# Altium PCB Board1.PcbDoc
Units mm, origin at the board's own origin, x right, y up, seen from the top; angles counter-clockwise.
Board outline 152.4 x 109.22 mm, 2 copper layers (Top Layer, Bottom Layer); 26 components, 16 nets, 98 pads, 0 vias.
Unrouted connection lines stored in the file: 1.
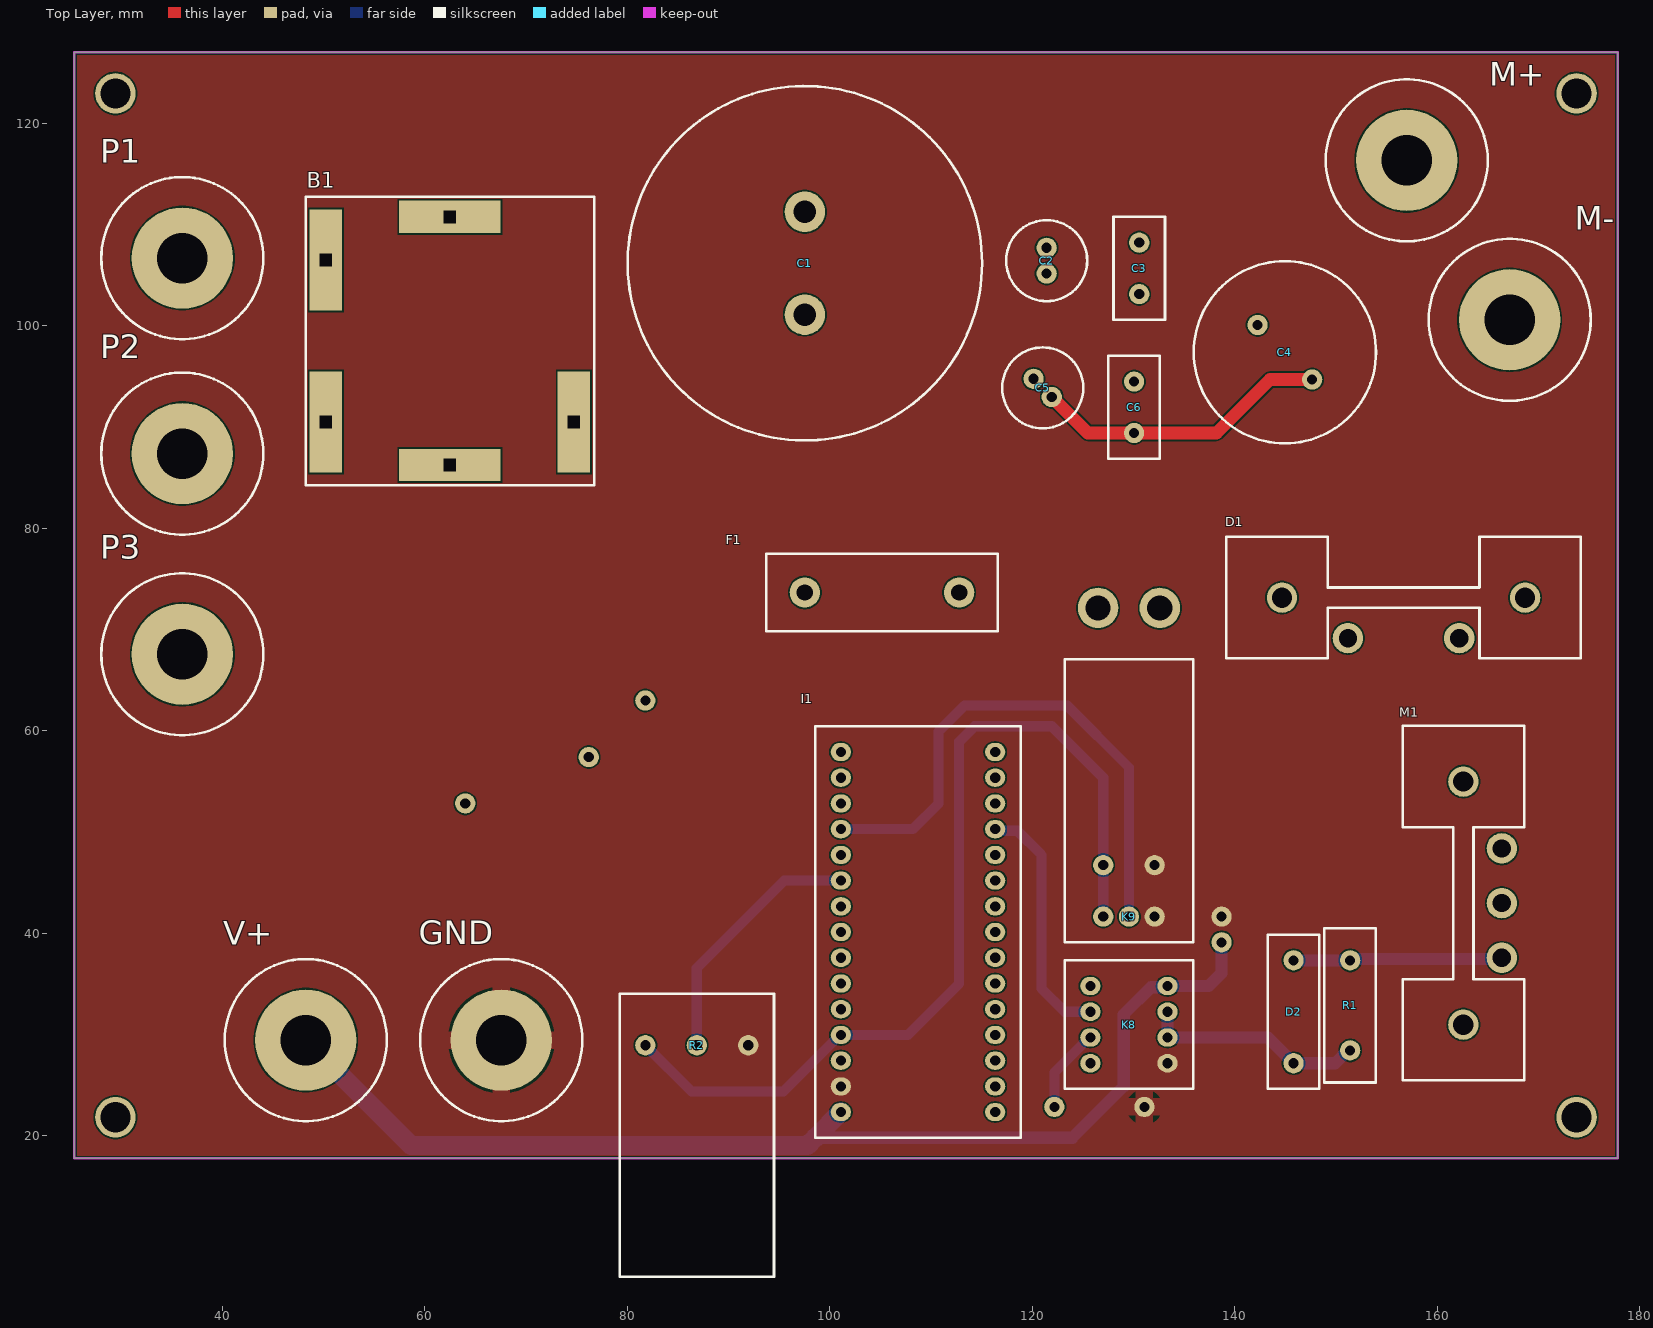
[diagram p0: Top Layer view]
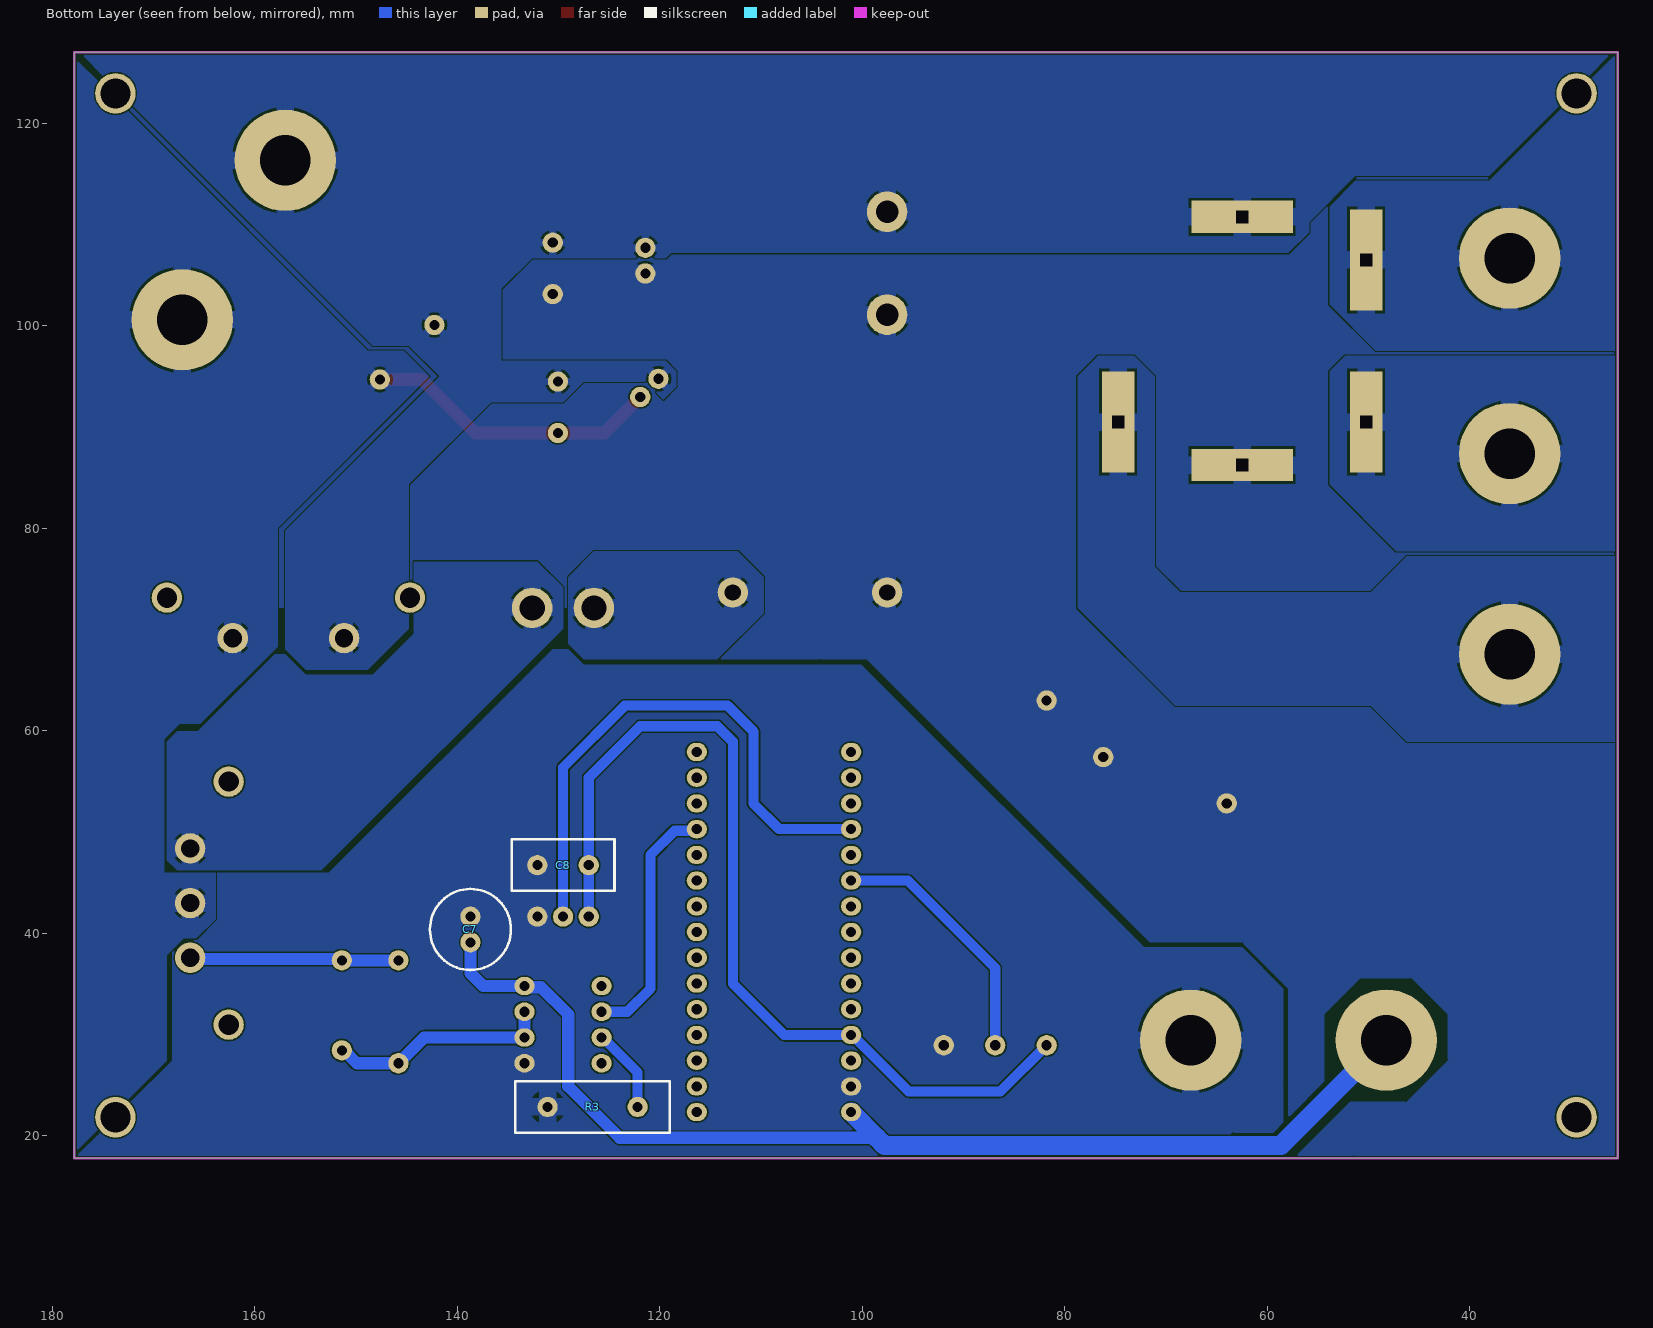
[diagram p1: Bottom Layer view, seen from below]
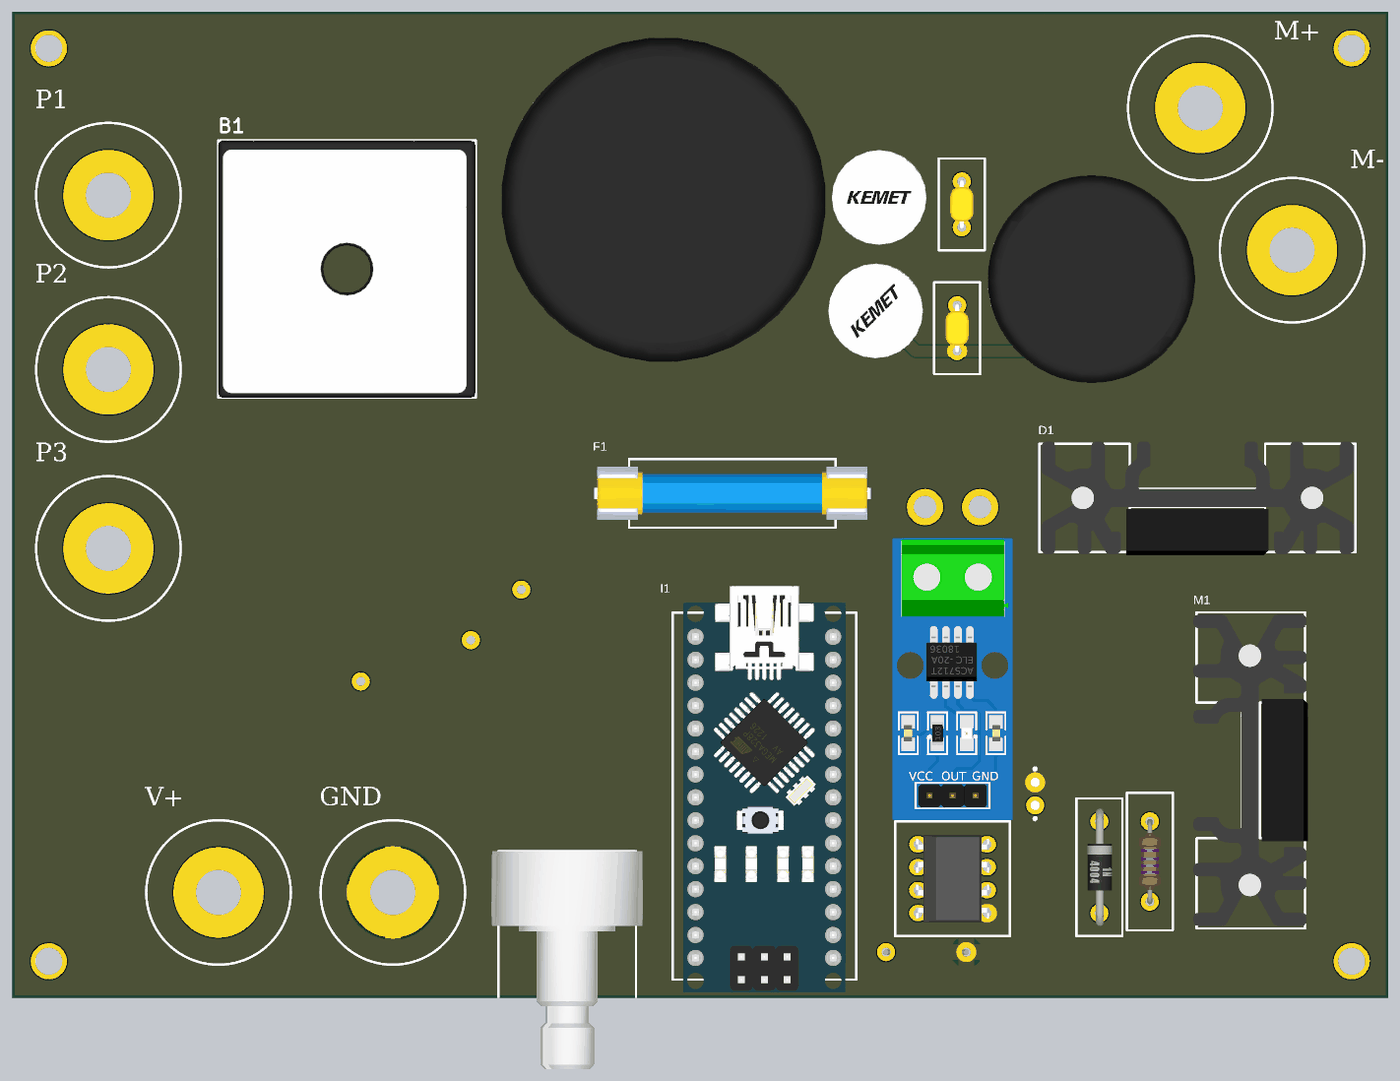
[diagram p2: 3D render of the assembled board from above, using the file's embedded part models]
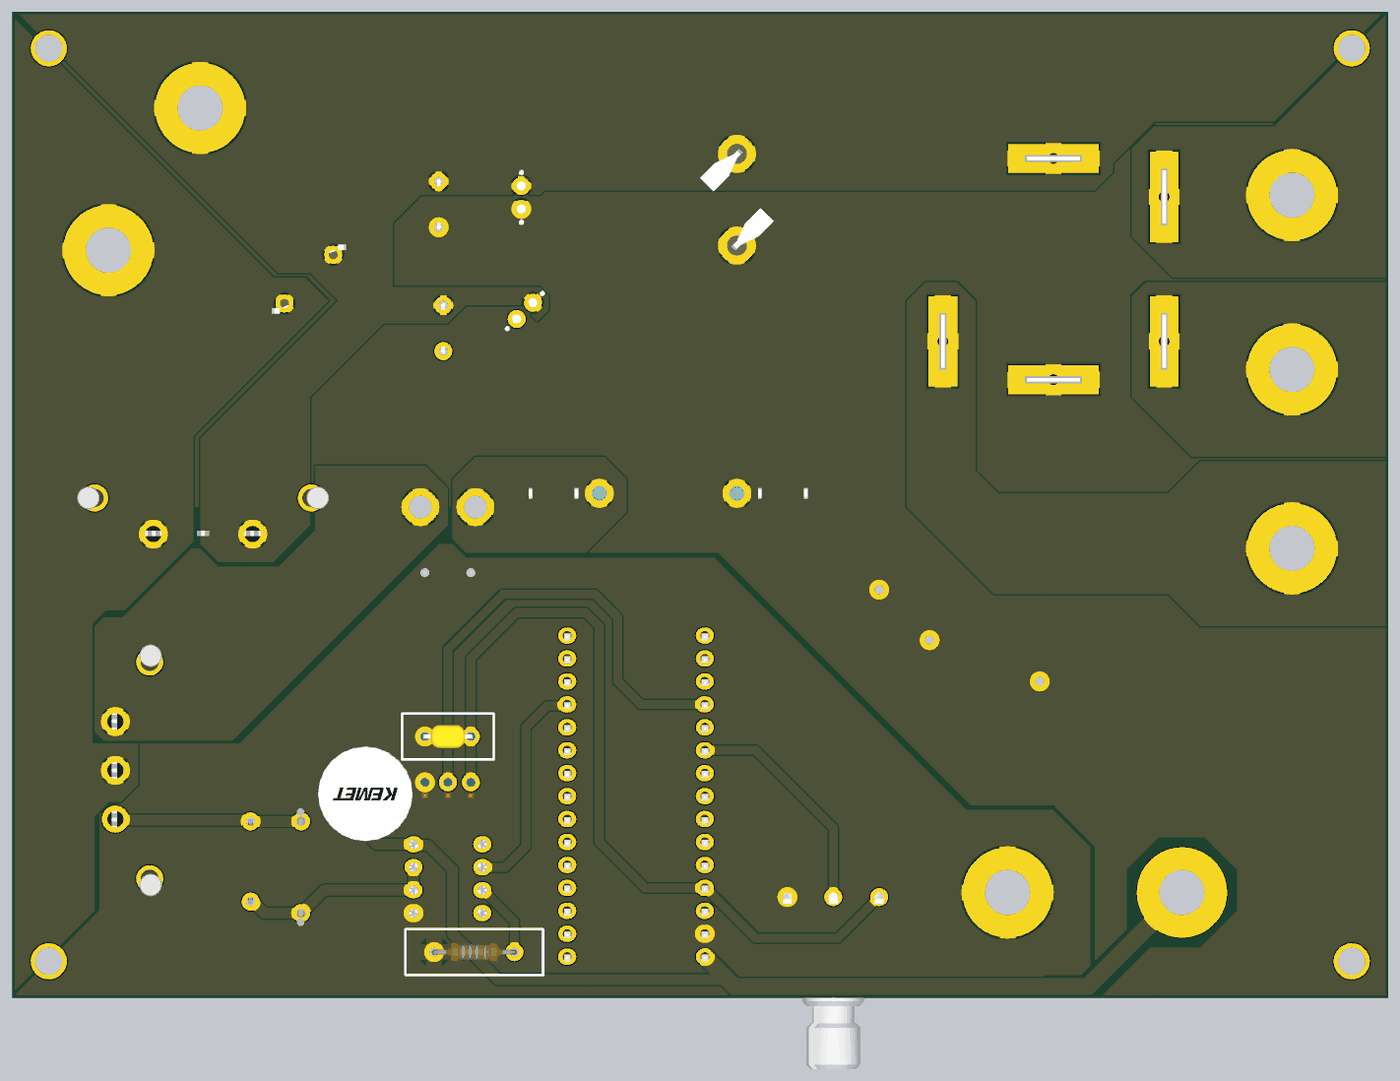
[diagram p3: 3D render of the assembled board from below, using the file's embedded part models]

## Layer stack, top to bottom
Top Solder: solder mask 0.0102, Solder Resist, Dk 3.5
Top Layer: signal copper 0.0356
Dielectric 1: dielectric 0.32, FR-4, Dk 4.8
Bottom Layer: signal copper 0.0356
Bottom Solder: solder mask 0.0102, Solder Resist, Dk 3.5

## Board outline
25.4,17.78 25.4,127 177.8,127 177.8,17.78

## Design rules (kind name [scope] priority, off if disabled: settings)
Clearance [All] p1: gap=0.152 ignorepadtopadclearanceinfootprint=FALSE
PlaneClearance [All] p1: clearance=1.016
PolygonConnect [All] p1: connectstyle=Relief reliefconductorwidth=1.778 reliefentries=4 polygonreliefangle="90 Angle" airgapwidth=0.254
RoutingVias [All] p1: holewidth=0.711 width=1.27 viastyle="Through Hole" minholewidth=0.152 minwidth=0.152 maxholewidth=10 maxwidth=10
SolderMaskExpansion [All] p1: expansion=0.102 istentingtop=FALSE
Width [All] p1: maxlimit=10 minlimit=0.152 preferedwidth=0.254 minimp=50.000000 maximp=50.000000 favimp=50.000000
29 further rules are at their usual default settings.

## Components (designator, comment, footprint, x,y, rotation, side; value= is the part's Value field where it differs from the comment)
B1 "B?" 36mt160 48.234,112.744 r0 top
C1 "330uF" 330uF400V 97.536,106.172 r0 top
C2 "4.7uF" 4.7uF400V 121.412,106.426 r0 top
C3 "0.1nF" 0.1nf1000V 130.556,105.664 r270 top
C4 "100uF" 100uF400V 144.934,97.382 r45 top
C5 "4.7uF" 4.7uF400V 121.022,93.862 r45 top
C6 "0.1nF" 0.1nf1000V 130.048,91.948 r270 top
C7 "4.7uF" 4.7uF400V 138.684,40.386 r0 bottom
C8 "C8" 0.1nf1000V 129.54,46.736 r180 bottom
D1 "D?" Heatsınk+Dıyot 156.656,73.152 r0 top
D2 "D2" DIODE-DIP 145.796,32.258 r0 top
F1 "F?" Sıgorta 105.156,73.66 r270 top
GND "K?" "4mm Konnektor" 67.564,29.464 r0 top (schematic designator K6)
I1 "NANO" Nano 108.712,40.132 r0 top
K8 "TLP250" 8DIP 129.54,30.988 r0 top
K9 "K?" ACS 129.54,41.656 r180 top
M1 "M?" Heatsink+IGBT 162.56,42.988 r90 top
M+ "K?" "4mm Konnektor" 156.972,116.332 r0 top (schematic designator K2)
M- "K?" "4mm Konnektor" 167.132,100.584 r0 top (schematic designator K5)
P1 "K?" "4mm Konnektor" 36.068,106.68 r270 top (schematic designator K1)
P2 "K?" "4mm Konnektor" 36.068,87.376 r270 top (schematic designator K3)
P3 "K?" "4mm Konnektor" 36.068,67.564 r270 top (schematic designator K4)
R1 "10R" 10R 151.384,32.893 r180 top
R2 "R2" POT 86.868,28.956 r180 top
R3 "560R" 10R 126.619,22.86 r90 bottom
V+ "K?" "4mm Konnektor" 48.26,29.464 r0 top (schematic designator K7)

## Footprints (in the part's own frame and the unit in brackets; to place one, negate y for a bottom-side part, rotate by r counter-clockwise, add the part's x,y. Pads: shape width x height; smd on the part's side, far side on the other; paste and mask are expansions set on the pad)
0.1nf1000V [mm] "C?"
  round 2 hole 1: 1(-2.54,0) 2(2.54,0)
  silkscreen extent -5.08,-2.54 5.08,2.54, body extent -2.79,-1.28 2.79,1.27, height 5.11
4.7uF400V [mm] "C?"
  round 2 hole 1: 1(0,1.27) 2(0,-1.27)
  silkscreen extent -4,-4 4,4, body extent -5.25,-5.25 5.25,5.25, height 17.3
"4mm Konnektor" [mm] "K?"
  round 10 hole 5: 1(0,0)
  silkscreen extent -8,-8 8,8, body extent -8,-8 8,8, height 10
8DIP [mm] "K?"
  oval 2x1.8 hole 1: 1(-3.81,3.81) 2(-3.81,1.27) 3(-3.81,-1.27) 4(-3.81,-3.81) 5(3.81,3.81) 6(3.81,1.27) 7(3.81,-1.27) 8(3.81,-3.81)
  silkscreen extent -6.35,-6.35 6.35,6.35, body extent -4.29,-4.83 4.29,4.83, height 4.85
10R [mm] "R?"
  round 2 hole 1: 1(0,4.445) 2(0,-4.445)
  silkscreen extent -2.54,-7.62 2.54,7.62, body extent -1.2,-4.72 1.2,4.72, height 2.4
36mt160 [mm] "36mt160"
  rect 3.2x10 hole 1.2 square: 1(2,-6.25) 2(2,-22.25) 3(26.5,-22.25)
  rect 10x3.2 hole 1.2 square: +(14.25,-2) -(14.25,-26.5)
  silkscreen extent 0,-28.5 28.5,0, body extent 0,-28.5 28.5,0, height 13
100uF400V [mm] "C?"
  round 2 hole 1: 1(0,3.81) 2(0,-3.81)
  silkscreen extent -9,-9 9,9, body extent -16.26,-16.26 16.26,16.26, height 37.5
330uF400V [mm] "C?"
  round 4 hole 2.2: 1(0,5.08) 2(0,-5.08)
  silkscreen extent -17.5,-17.5 17.5,17.5, body extent -25.46,-25.46 25.46,25.46, height 42
ACS [mm] "K?"
  round 2 hole 1: GND(-2.54,0) OUT(0,0) VCC(2.54,0)
  silkscreen extent -6.35,-25.4 6.35,2.54, body extent -6.65,-27.03 6.65,4.17, height 13.51
DIODE-DIP [mm] "D?"
  round 2 hole 1: A(0,5.08) C(0,-5.08)
  silkscreen extent -2.54,-7.62 2.54,7.62, body extent -1.3,-6.53 1.4,6.53, height 2.85
Heatsink+IGBT [mm] "M?"
  round 3 hole 1.8: C(0,-3.8) E(5.4,-3.8) G(-5.4,-3.8)
  round 3 hole 2: H(-12,0) H(12,0)
  silkscreen extent -17.5,-6 17.5,6, body extent -17.25,-6.35 17.25,6.35, height 26
Heatsınk+Dıyot [mm] "D?"
  round 3 hole 1.8: A(5.5,-4) C(-5.5,-4)
  round 3 hole 2: H(-12,0) H(12,0)
  silkscreen extent -17.5,-6 17.5,6, body extent -17.25,-6.35 17.25,6.25, height 26
Nano [mm] "K?"
  oval 2x1.8 hole 1: 1(-7.62,17.78) 2(-7.62,15.24) 3(-7.62,12.7) 4(-7.62,10.16) 5(-7.62,7.62) 6(-7.62,5.08) 7(-7.62,2.54) 8(-7.62,0) 9(-7.62,-2.54) 10(-7.62,-5.08) 11(-7.62,-7.62) 12(-7.62,-10.16) 13(-7.62,-12.7) 14(-7.62,-15.24) 15(-7.62,-17.78) 16(7.62,17.78) 17(7.62,15.24) 18(7.62,12.7) 19(7.62,10.16) 20(7.62,7.62) 21(7.62,5.08) 22(7.62,2.54) 23(7.62,0) 24(7.62,-2.54) 25(7.62,-5.08) 26(7.62,-7.62) 27(7.62,-10.16) 28(7.62,-12.7) 29(7.62,-15.24) 30(7.62,-17.78)
  silkscreen extent -10.16,-20.32 10.16,20.32, body extent -9.02,-21.74 8.98,23.26, height 14.1
POT [mm] "R?"
  round 2 hole 1: 1(-5.08,0) 2(0,0) 3(5.08,0)
  silkscreen extent -7.62,-5.08 7.62,22.86, body extent -8.38,-5.08 8.38,19.05, height 21.38
Sıgorta [mm] "F?"
  round 3 hole 1.6: 1(0,7.62) 2(0,-7.62)
  silkscreen extent -3.81,-11.43 3.81,11.43, body extent -2.95,-15.44 2.95,15.44, height 8.84

## Part data
B1: library part 36MT160
C1: library part 330uF400V, "330uF400V"
C2 C5 C7: library part 4.7uF400V
C3 C6 C8: library part 0.1nF1000V
C4: library part 100uF400V
D1: library part Heatsink+Diyot
D2: library part Diyot
F1: library part Sigorta
GND M+ M- P1 P2 P3 V+: library part 4mmKonnektor
K8: library part 8DIPSoket
K9: library part ACS
M1: library part Heatsink+IGBT
R2: library part POT
R3: library part 10R

## Free pads (board coordinates)
  round 4 hole 3: 3(29.464,122.936) 4(29.464,21.844) 5(173.736,21.844) 6(173.736,122.936)
  round 4 hole 2.5: 7(132.588,72.136) 8(126.492,72.136)
  round 2 hole 1: 9(81.788,62.992) 10(76.2,57.404) 11(64.008,52.832)

## Nets (pads, with @x,y where several pads share a name; then routed paths per layer and width w, separated by ;. In a path a pad name is that pad's centre, name@x,y a point inside that pad or via, vN(x,y) a via of type N, cw(c..) or ccw(c..) an arc to the next point about the centre after c; other vN are vias at no path point)
5V: C8.2 I1.12 K9.VCC R2.3 | length 91.9
  Bottom Layer w1: R2.3 86.36,24.384 95.404,24.384 100.992,29.972 I1.12 107.696,29.972 112.776,35.052 112.776,58.928 114.3,60.452 121.92,60.452 127,55.372 C8.2 K9.VCC
A0: I1.4 K9.OUT | length 54.9
  Bottom Layer w1: I1.4 108.204,50.292 110.744,52.832 110.744,59.944 113.284,62.484 123.444,62.484 129.54,56.388 K9.OUT
GND: C7.2 C8.1 GND.1 I1.14 K8.8 K9.GND R2.1 R3.1
NetB1_1: B1.1 P1.1
NetB1_2: B1.2 P2.1
NetB1_3: B1.3 P3.1
NetB1_+: B1.+ C1.1 C2.1 C3.1 C4.1 C5.1 C6.1 D1.C M+.1
NetB1_-: B1.- C1.2 C2.2 C3.2 F1.2 pad.9 pad.10 pad.11
NetC4_2: C4.2 C5.2 C6.2 D1.A M1.C M-.1 | length 29.4
  Top Layer w1.27: C5.2 125.476,89.408 C6.2 138.176,89.408 143.456,94.688 C4.2
NetD2_A: D2.A M1.G R1.2 | length 20.7
  Bottom Layer w1.2: D2.A R1.2 151.509,37.463 166.235,37.463 M1.G
NetF1_1: F1.1 M1.E pad.7 pad.8
NetK8_2: I1.19 K8.2 | length 24.6
  Bottom Layer w1: I1.19 116.485,50.139 118.517,50.139 120.904,47.752 120.904,34.544 123.19,32.258 K8.2
NetK8_3: K8.3 R3.2 | length 8.4
  Bottom Layer w1: R3.2 122.174,26.262 125.63,29.718 K8.3
POT: I1.6 R2.2 | length 25.4
  Bottom Layer w1: R2.2 86.868,36.576 95.504,45.212 I1.6
PWM: D2.C K8.6 K8.7 R1.1 | length 22.2
  Bottom Layer w1.2: K8.6 K8.7 143.256,29.718 D2.C 149.898,27.178 151.168,28.448 R1.1
Vin: C7.1 I1.15 K8.5 V+.1 | length 112.6
  Bottom Layer w1.2: 98.552,19.812 123.952,19.812 129.032,24.892 129.032,32.004 131.711,34.683 133.235,34.683 K8.5 137.414,34.798 138.684,36.068 C7.1
  Bottom Layer w1.9: V+.1 58.674,19.05 97.79,19.05 98.552,19.812 I1.15
pads on no net: D1.H I1.1 I1.2 I1.3 I1.5 I1.7 I1.8 I1.9 I1.10 I1.11 I1.13 I1.16 I1.17 I1.18 I1.20 I1.21 I1.22 I1.23 I1.24 I1.25 I1.26 I1.27 I1.28 I1.29 I1.30 K8.1 K8.4 M1.H

## Polygon pours and split planes (outlines as drawn)
GND on Bottom Layer "GND_L02_P024" (solid, pour order 24): 62.484,38.608 58.42,34.544 58.42,25.4 66.04,17.78 177.8,17.78 168.148,27.432 168.148,38.862 167.132,39.878 165.354,39.878 163.83,41.402 163.83,45.974 152.654,45.974 130.556,68.072 129.032,68.072 127.508,66.548 100.076,66.548 72.136,38.608 65.532,38.608
GND on Bottom Layer "GND_L02_P026" (solid, pour order 26): 58.42,25.4 63.5,20.32 59.436,20.32 58.42,21.336
NetB1_- on Bottom Layer "NETB1_-_L02_P025" (solid, pour order 25): 45.72,35.56 50.8,35.56 54.356,32.004 54.356,25.4 57.912,21.844 57.912,34.544 62.484,39.116 49.276,39.116
NetB1_- on Bottom Layer "NETB1_-_L02_P023" (solid, pour order 23): 46.228,23.368 51.816,23.368 57.404,17.78 51.816,17.78 51.414,18.182
NetB1_- on Bottom Layer "Bottom Layer-NetB1_-" (solid, pour order 22): 25.4,17.78 51.816,17.78 39.878,29.718 42.164,27.432 42.164,32.004 49.276,39.116 71.628,39.116 90.424,57.912 99.568,67.056 104.14,67.056 109.22,72.136 104.14,67.056 114.3,67.056 109.728,71.628 109.728,72.136 177.8,72.136 177.8,127 25.908,127 25.908,126.759 25.684,126.536 25.684,18.064
NetF1_1 on Bottom Layer "NETF1_1_L02_P017" (solid, pour order 17): 109.728,75.184 112.268,77.724 126.492,77.724 129.032,75.184 129.032,68.58 127.508,67.056 114.3,67.056 109.728,71.628
NetF1_1 on Bottom Layer "NETF1_1_L02_P016" (solid, pour order 16): 129.54,74.168 132.08,76.708 144.272,76.708 144.272,69.596 148.336,65.532 154.94,65.532 156.972,67.564 157.988,67.564 165.608,59.944 167.64,59.944 168.656,58.928 168.656,47.244 167.64,46.228 153.416,46.228 129.54,70.104
NetC4_2 on Bottom Layer "NETC4_2_L02_P015" (solid, pour order 15): 178.054,126.746 148.844,97.536 145.288,97.536 142.748,94.996 157.734,80.01 157.734,68.326 165.354,60.706 167.386,60.706 168.91,59.182 168.91,45.974 163.83,45.974 163.83,41.402 165.735,39.497 167.005,39.497 168.656,37.846 168.656,27.432 178.054,18.034
NetB1_+ on Bottom Layer "Bottom Layer-NetB1_+" (solid, pour order 14): 136.652,92.456 144.78,84.328 144.78,70.104 148.844,66.04 154.94,66.04 156.972,68.072 156.972,79.756 141.732,94.996 144.78,98.044 148.336,98.044 177.292,127 25.908,127 38.1,114.808 51.308,114.808 55.88,110.236 55.88,109.22 57.912,107.188 118.872,107.188 119.38,106.68 132.588,106.68 135.636,103.632 135.636,96.52 119.38,96.52 118.364,95.504 118.364,93.98 119.634,92.71 121.412,94.488 127.508,94.488 129.54,92.456
NetB1_3 on Bottom Layer "NETB1_3_L02_P003" (solid, pour order 3): 25.4,77.216 46.228,77.216 49.784,73.66 68.58,73.66 71.12,76.2 71.12,94.996 73.152,97.028 76.708,97.028 78.74,94.996 78.74,72.136 69.088,62.484 49.784,62.484 46.228,58.928 25.4,58.928
NetB1_2 on Bottom Layer "NETB1_2_L02_P001" (solid, pour order 1): 25.4,97.028 52.324,97.028 53.848,95.504 53.848,84.328 47.244,77.724 25.4,77.724
NetB1_1 on Bottom Layer "NETB1_1_L02_P000" (solid, pour order 0): 25.4,127 38.1,114.3 51.308,114.3 53.848,111.76 53.848,102.108 49.276,97.536 25.4,97.536
GND on Top Layer "GND_L01_P027" (solid, pour order 27): 25.4,127 177.8,127 177.8,17.78 25.4,17.78

## Keep-outs
Keep-Out Layer:
  the board outline again, w0.254